# Altium PCB FPGA_SHIELD_MARK1_Single_Side.PcbDoc (part 1 of 3)
Units mil, origin at the board's own origin, x right, y up, seen from the top; angles counter-clockwise.
Board outline 3360 x 2600 mil, 4 copper layers (Top Layer, VCC, GND, Bottom Layer); 151 components, 185 nets, 729 pads, 460 vias.
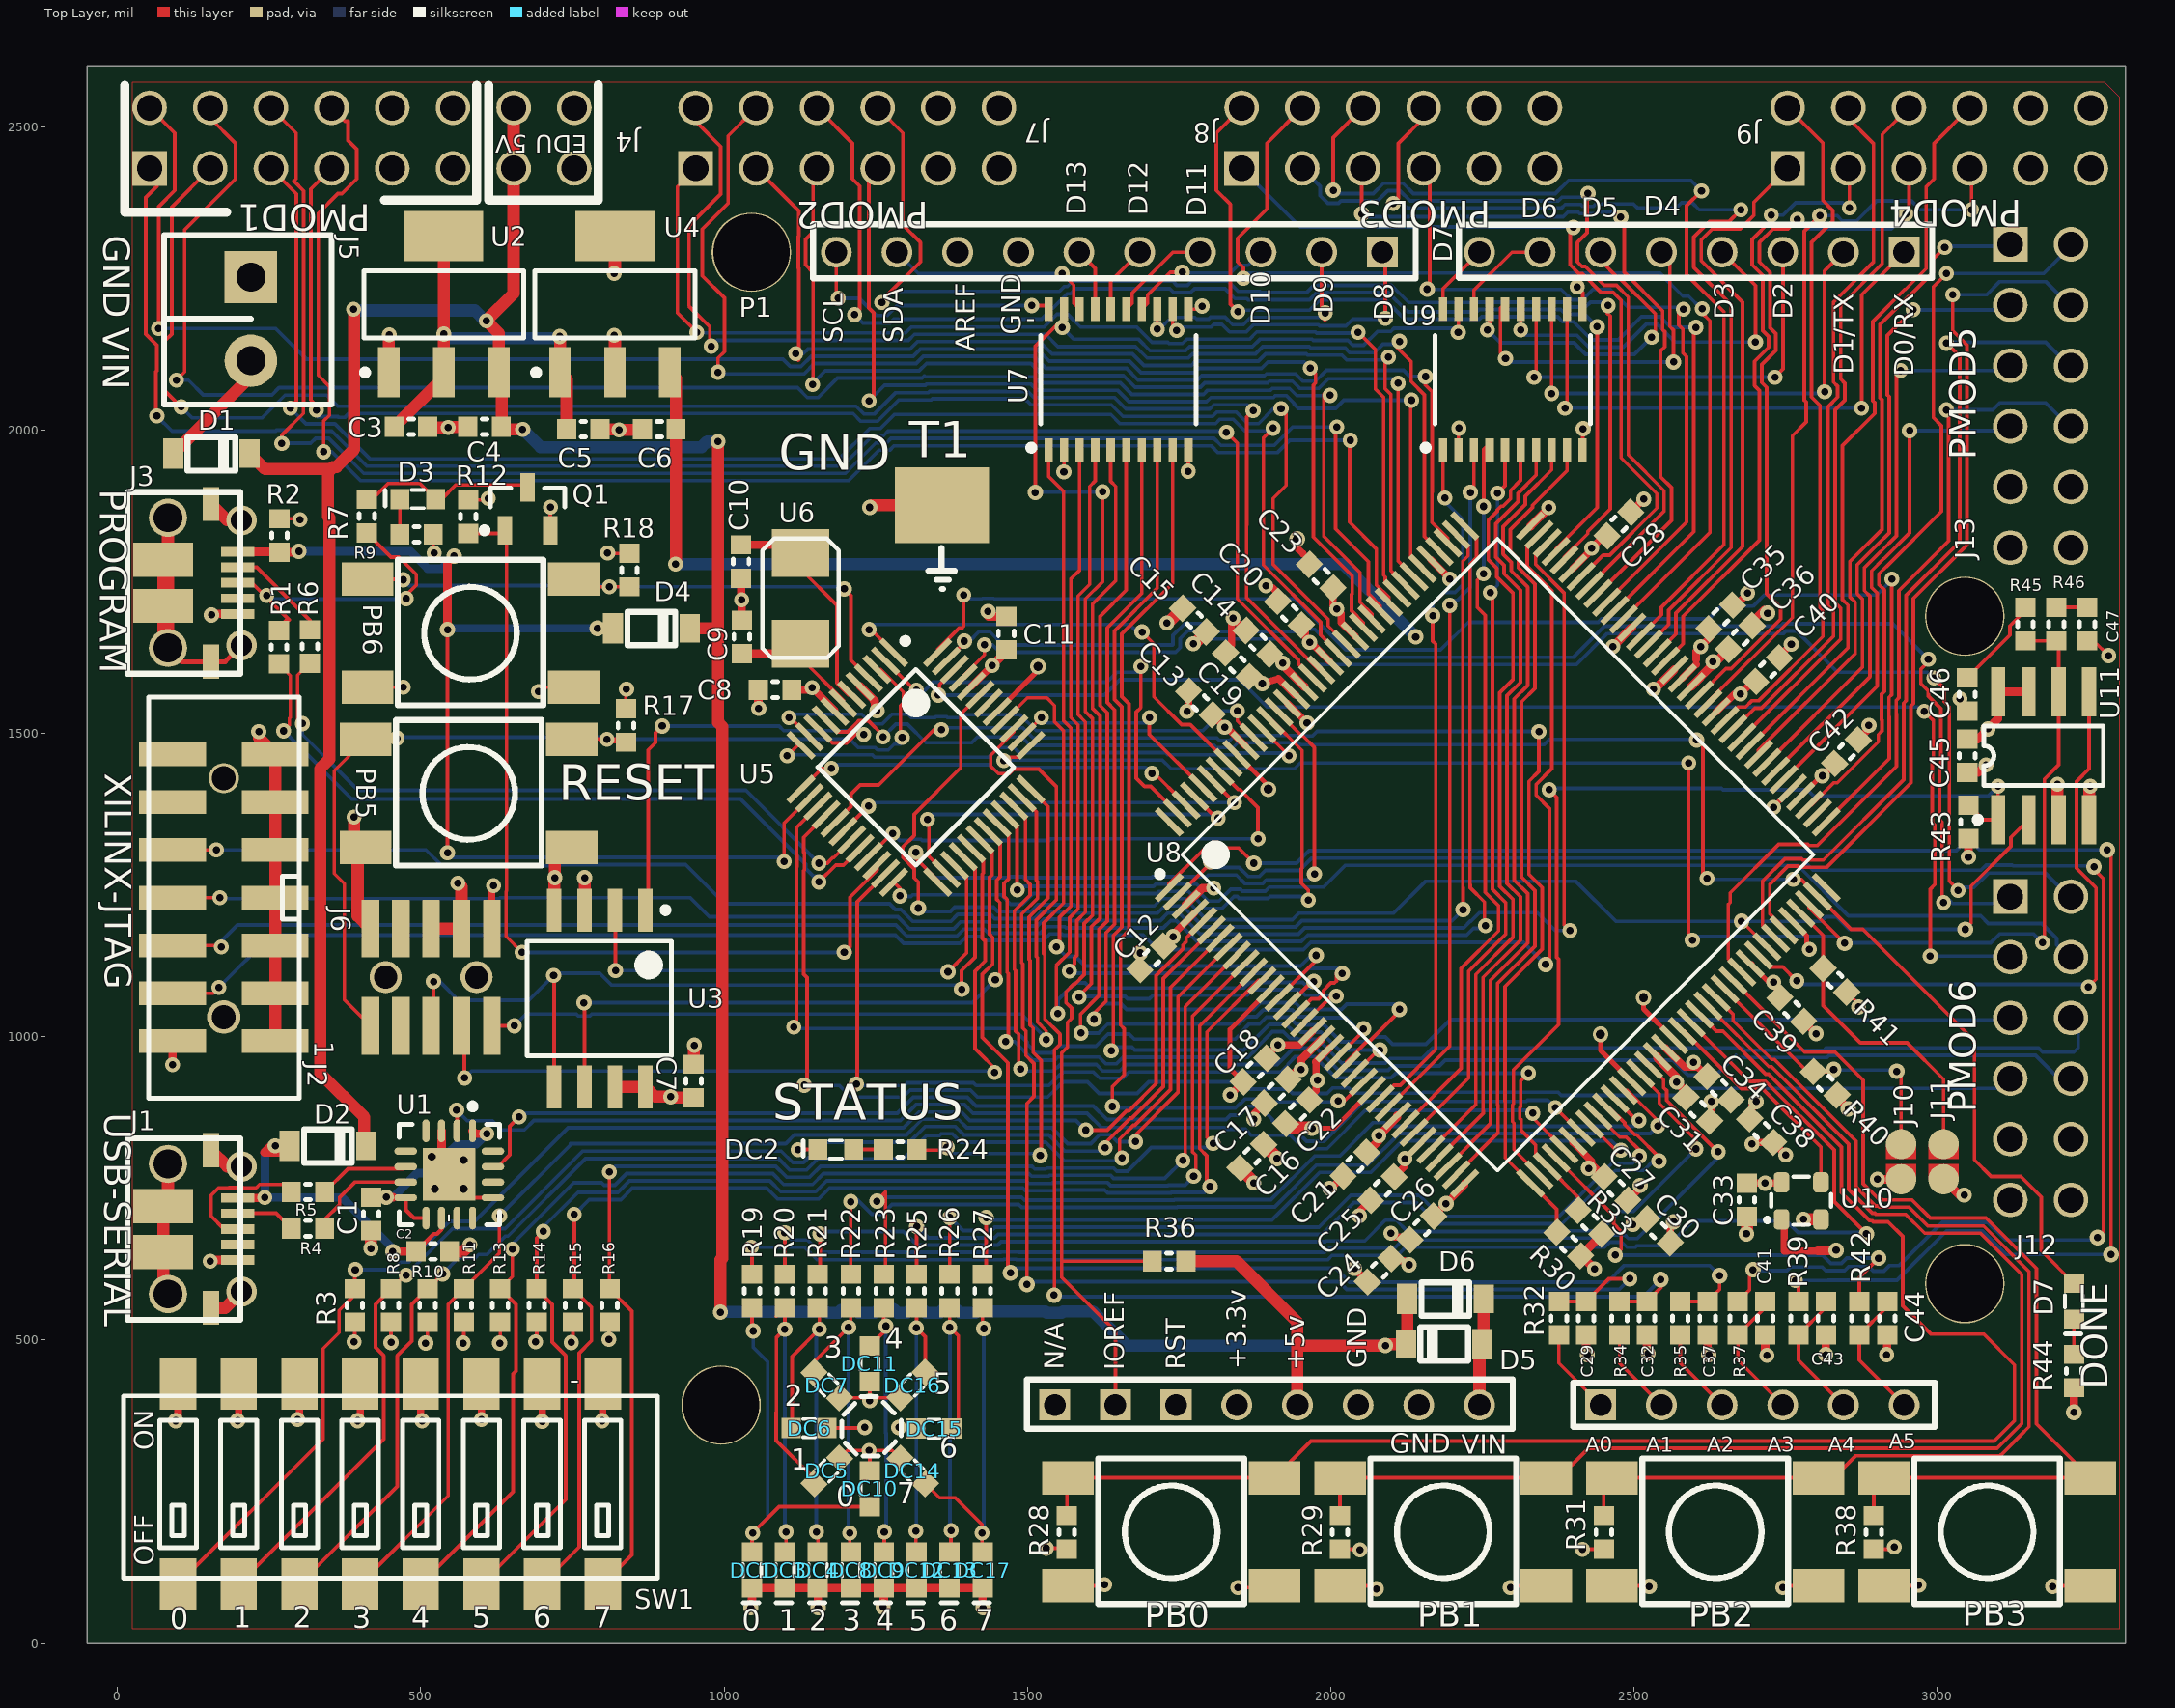
[diagram p0: Top Layer view]
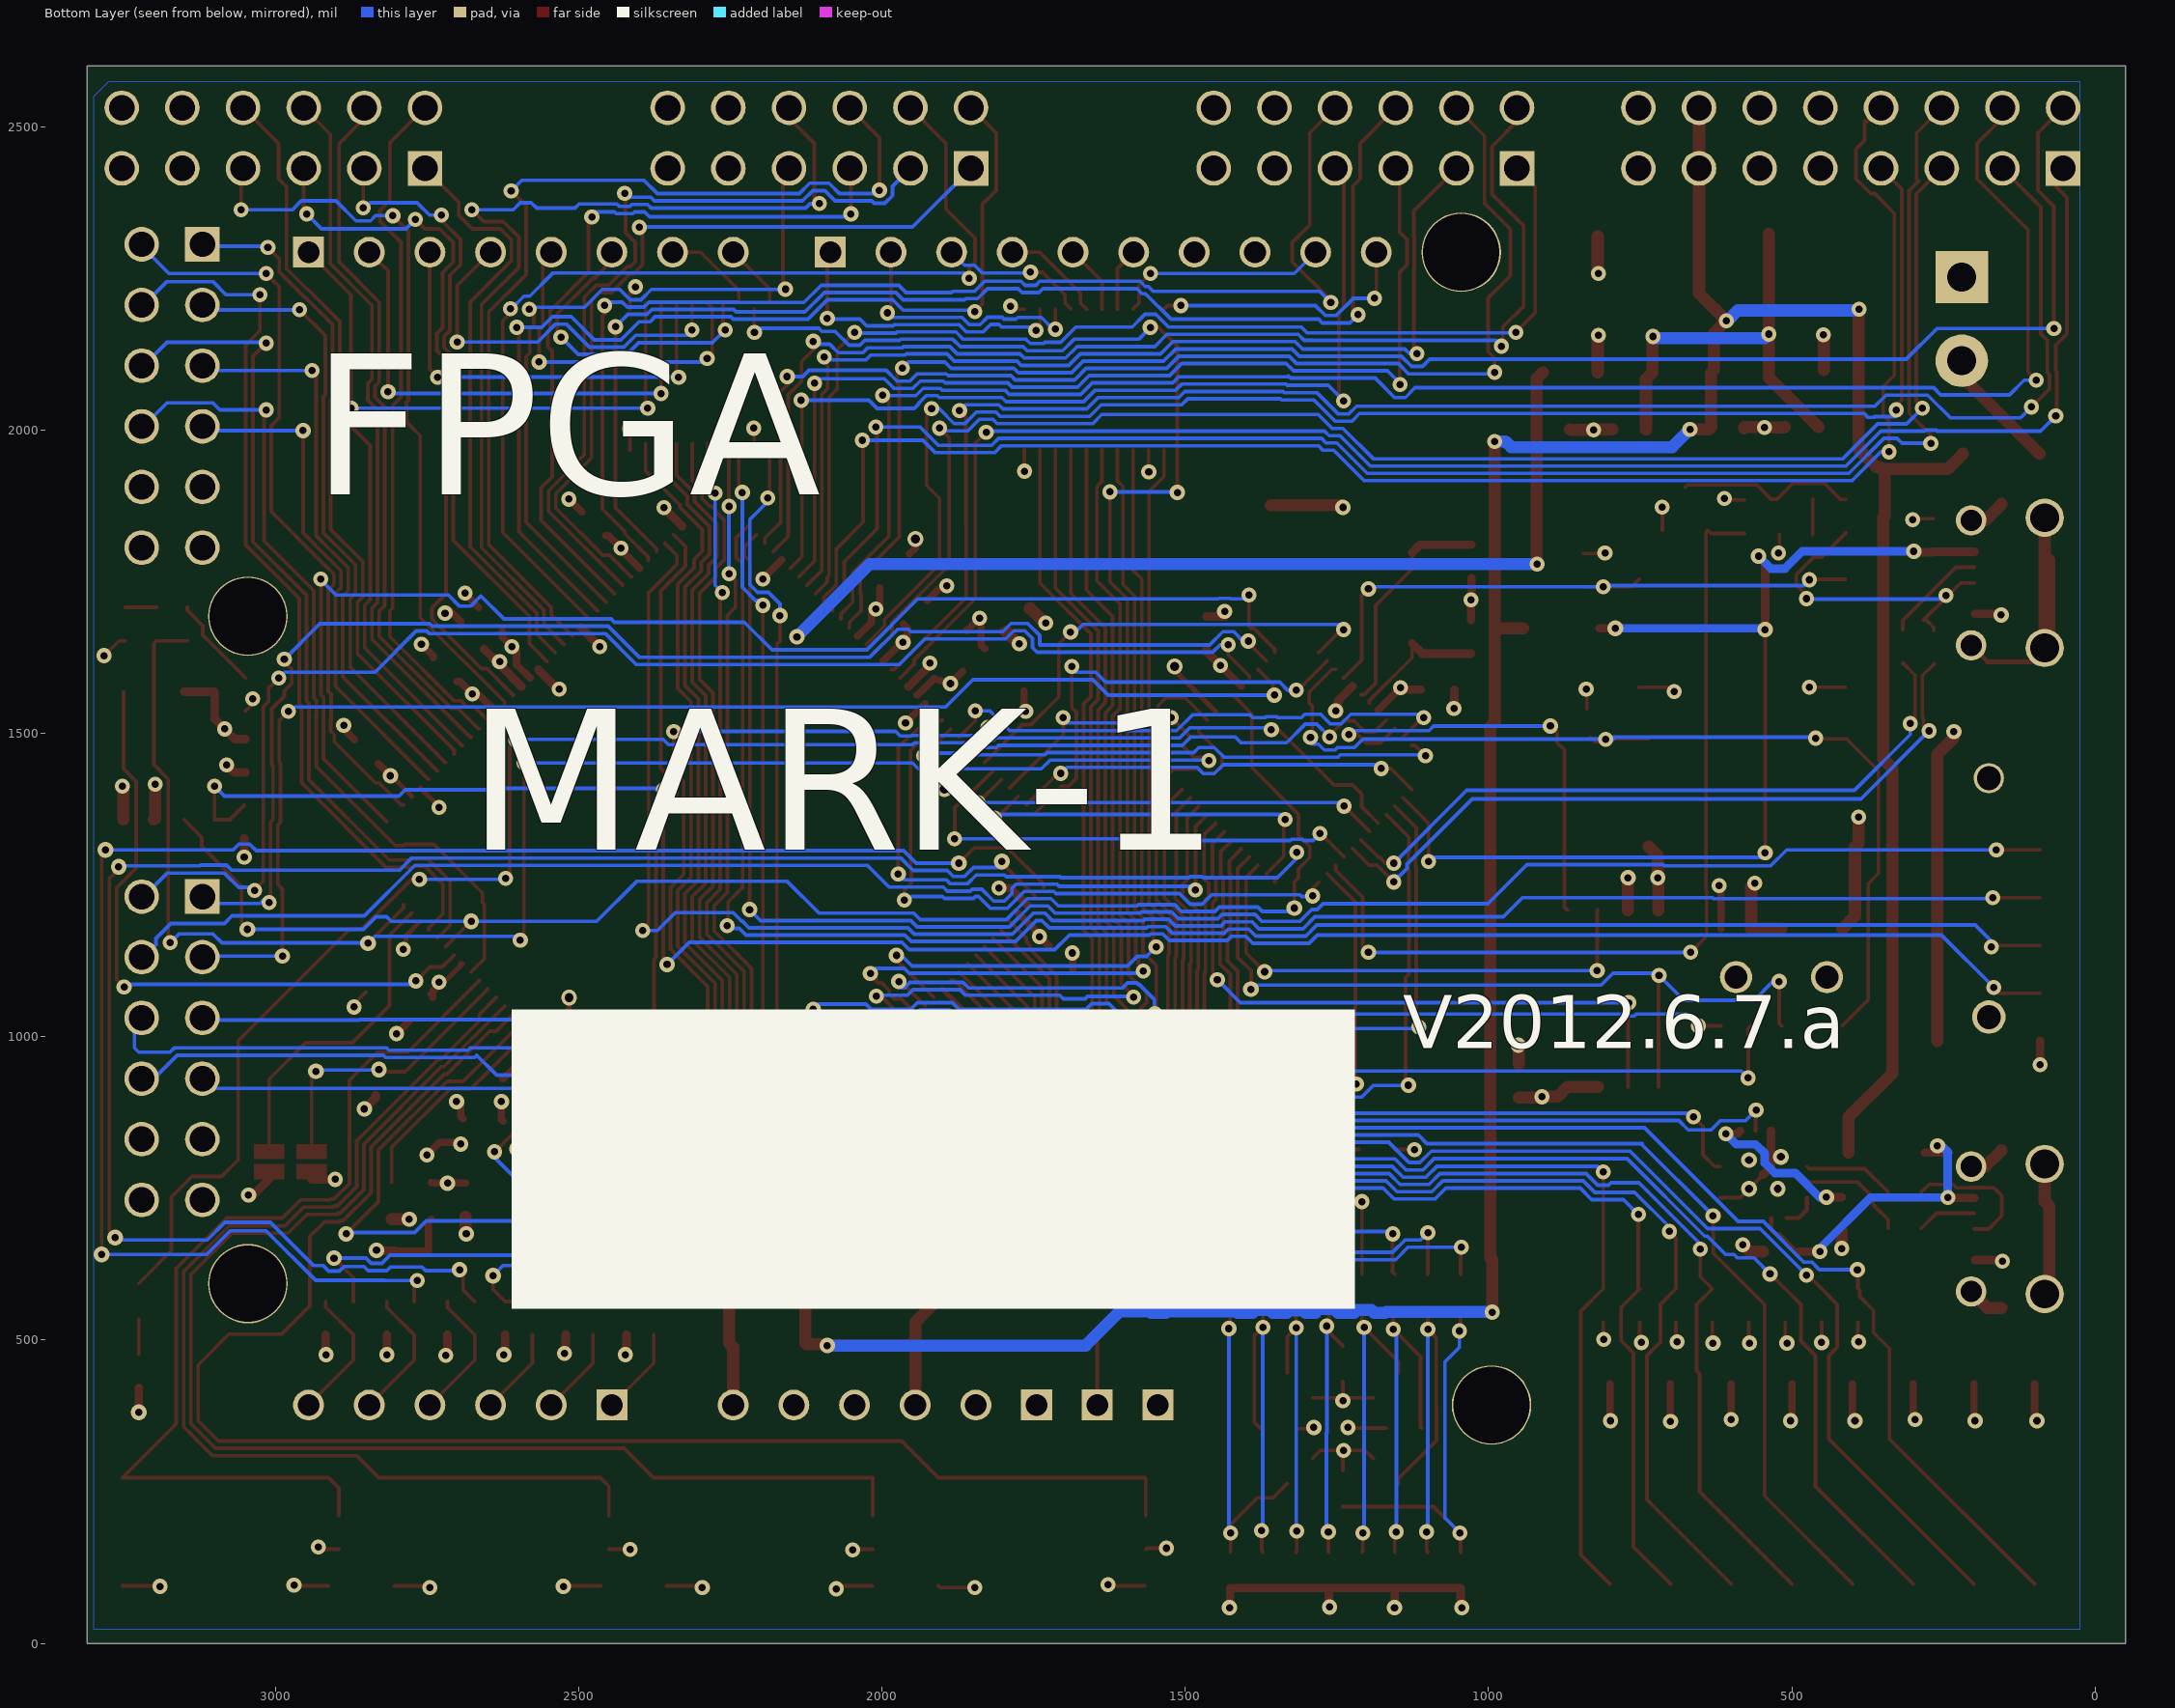
[diagram p1: Bottom Layer view, seen from below]
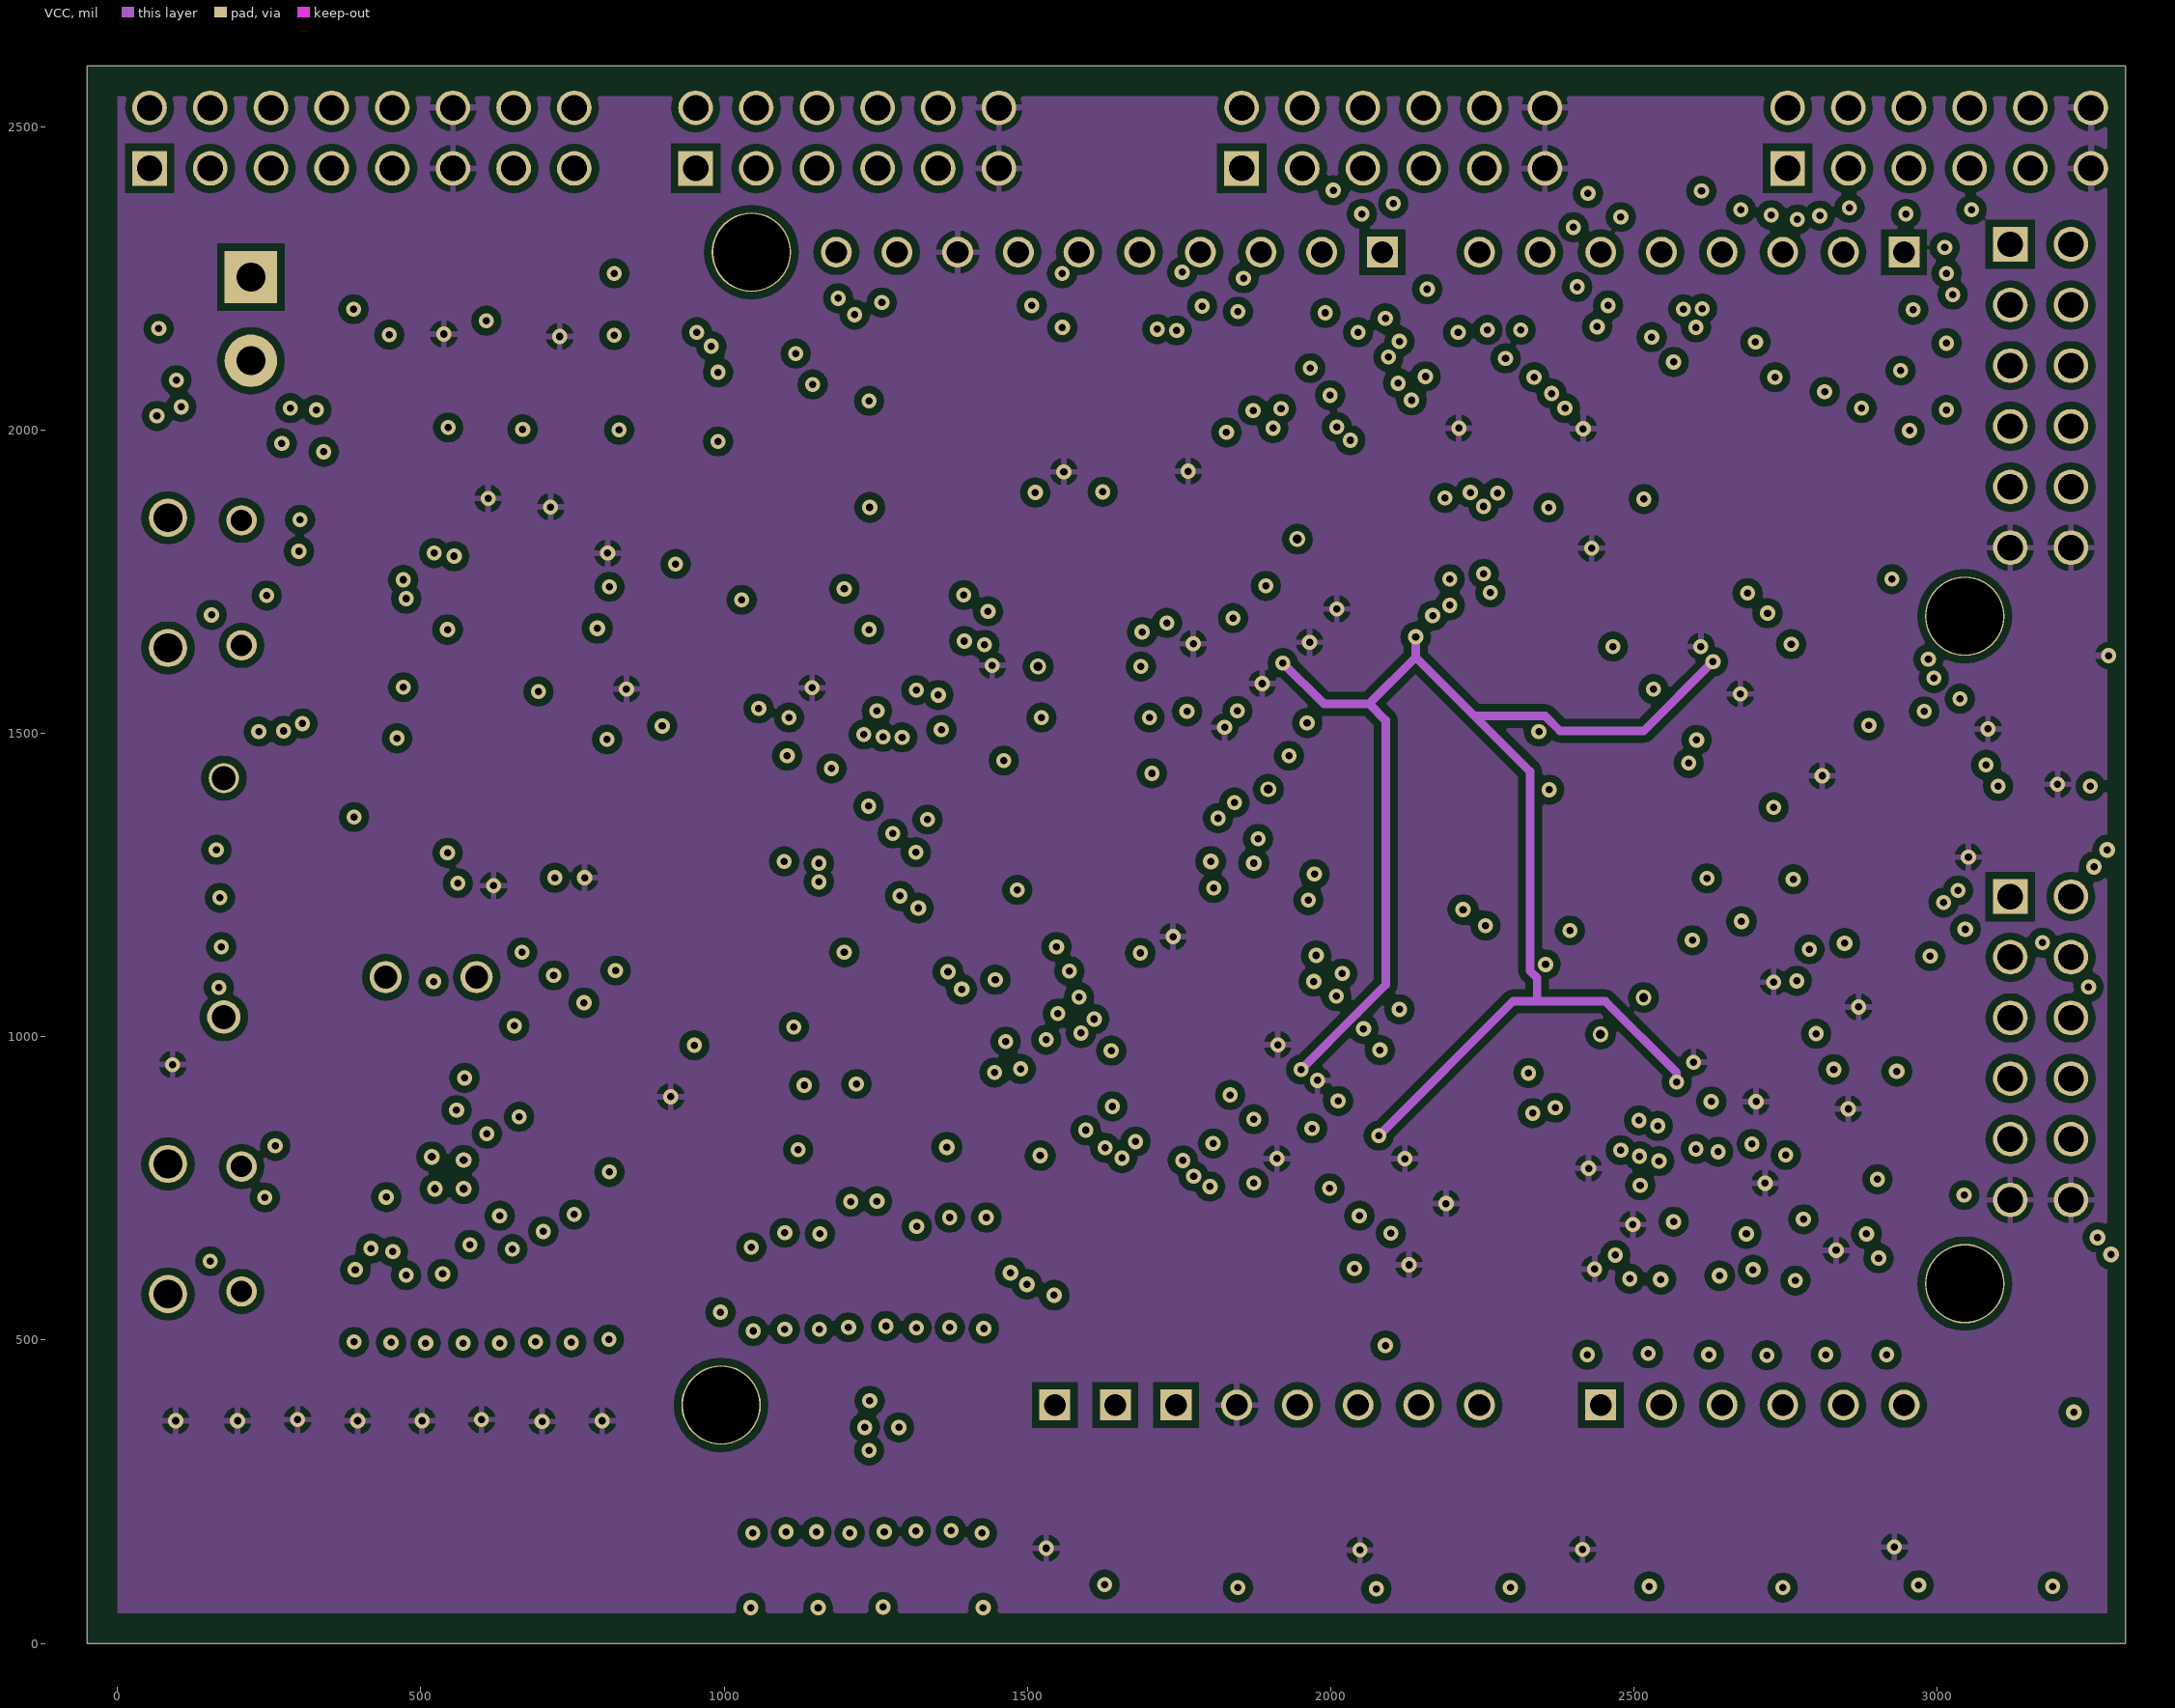
[diagram p2: VCC]